# Altium PCB EBAZ4205.PcbDoc (part 3 of 6) (continued)
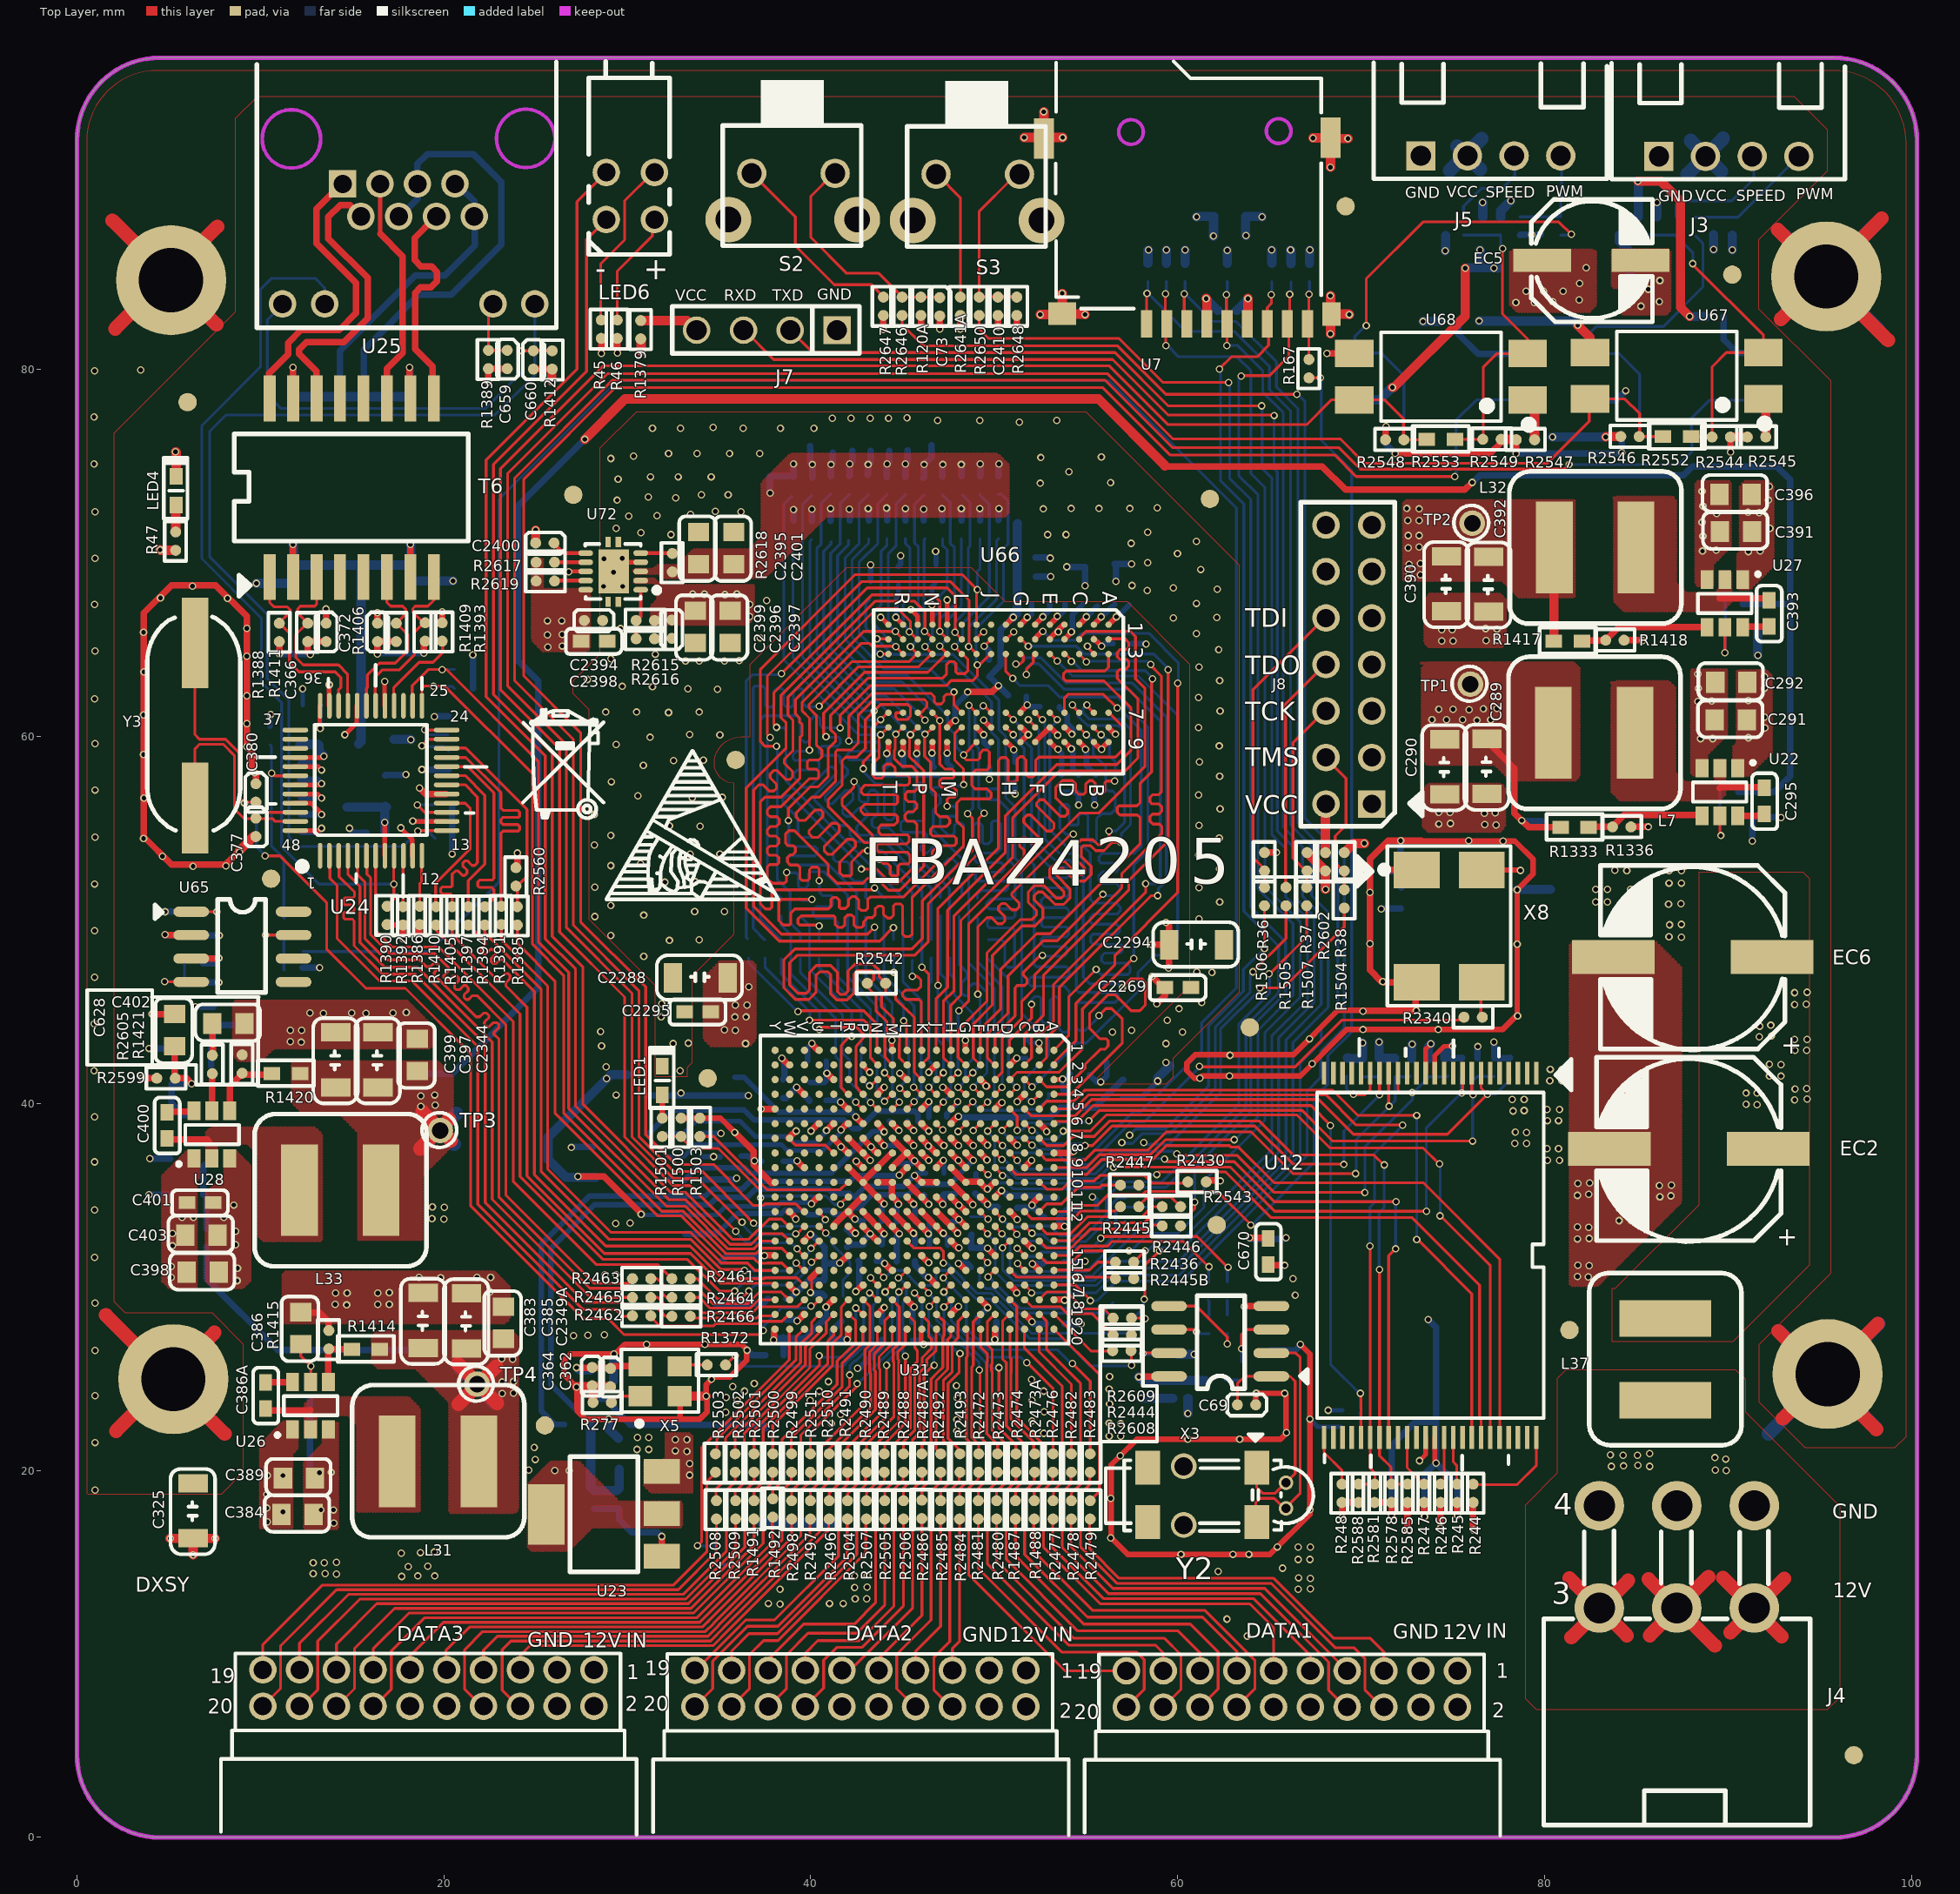
[diagram p0: Top Layer view]
## Nets (pads, with @x,y where several pads share a name; then routed paths per layer and width w, separated by ;. In a path a pad name is that pad's centre, name@x,y a point inside that pad or via, vN(x,y) a via of type N, cw(c..) or ccw(c..) an arc to the next point about the centre after c; other vN are vias at no path point) (continued)
  other v2: 60.181,15.431 63.006,15.431 63.881,15.431 65.434,15.834 56.356,16.331 67.206,17.856 56.356,18.481 56.875,20.8 60.556,21.706 63.381,21.706 65.931,22.056 28.981,22.806 34.594,24.969 29.281,26.356 31.056,26.881 34.231,26.881 43.231,32.906 45.656,36.881 46.406,37.681 62.831,41.506 67.335,42.16 62.856,42.631 67.178,43.528 70.106,44.031 74.206,44.031 78.531,44.781 70.106,45.031 78.506,48.681 70.481,48.706 70.481,51.506 6.331,52.931 8.131,52.956 4.656,53.481 8.856,53.706 77.731,54.306 72.156,54.331 75.856,54.331 3.631,54.456 3.656,56.656 3.631,59.031 9.256,60.706 3.631,61.181 9.256,62.231 3.656,63.531 9.256,64.381 3.631,65.681 9.256,65.906 8.206,67.531 4.556,67.556 6.306,68.206 25.881,79.331
GND3: C304.1 C305.1 C333.1 C334.1 C661.2 C662.1 C2385.2 EC2.2 EC5.2 EC6.2 J3.1 J4.2 J4.4 J4.6 J5.1 L36.1 R1347.1 R1348.2 R1364.1 R1365.2 R2559.2 U69.3 U70.3 | length 23.4
  Top Layer w0.508: v1(71.706,79.031) 71.781,79.031 75.681,82.931 v1(75.681,85.531)
  Bottom Layer w0.356: C333.1@78.656,87.331 78.681,87.356 v1(79.306,87.356) 79.781,87.356 R1364.1@79.806,87.381 ; U69.3@82.606,78.431 82.706,78.331 83.906,78.331 v1(84.431,78.856)
  Bottom Layer w0.508: U70.3@69.656,78.356 71.006,78.356 v1@71.631,78.981 ; v1(74.581,86.481) 74.606,86.506 C334.1@74.606,87.306 ; v1@75.731,85.531 75.756,85.556 C661.2@76.506,85.556 ; v1(76.481,86.531) 76.506,86.506 C661.2@76.506,85.556 ; 77.456,85.531 77.431,85.556 C661.2@76.506,85.556 ; R1365.2@77.606,88.306 77.606,88.656 v1(78.156,89.206) ; C305.1@84.081,87.331 84.081,87.006 84.631,86.456 C662.1@84.631,84.956 ; R1348.2@86.131,88.331 v1(86.131,89.106) ; v1(89.206,86.556) R1347.1@89.206,87.356 ; v1(90.231,86.531) C304.1@90.231,87.331
  other v1: 82.384,30.547 81.785,30.572 82.434,31.172 81.81,31.197 81.785,32.622 82.434,32.647 82.409,33.246 81.785,33.271 84.059,33.621 84.734,33.621 84.059,34.271 84.684,34.271 86.283,34.921 86.883,34.971 81.785,34.996 82.409,35.046 86.258,35.521 86.908,35.546 81.81,35.646 82.459,35.671 85.259,83.458 86.258,83.708 84.509,83.958 85.659,84.383 86.283,84.858 77.231,85.531
GNDA: C325.2 C2385.1 pad.1 pad.2 pad.3 pad.4 R2558.1 R2559.1 | length 93.7
  Top Layer w0.762: 1.58,28.473 8.053,21.999 ; 1.93,88.132 7.604,82.459 ; 2.08,82.234 7.654,87.807 ; 2.13,22.149 7.504,27.523 ; 92.707,87.632 98.73,81.609 ; 92.732,27.598 98.08,22.249 ; 92.882,82.759 98.38,88.257 ; 92.982,22.824 98.155,27.998
  Bottom Layer w0.762: 92.207,21.999 98.205,27.998 ; 92.832,27.548 98.03,22.349 ; 93.057,87.333 98.18,82.209 ; 93.132,83.034 97.905,87.807
  other v1: 0.98,18.925 0.98,21.524 0.98,24.079 0.98,26.548 0.98,29.122 0.955,31.622 0.955,34.196 0.955,36.82 0.955,39.27 0.93,41.794 0.93,44.348 0.955,46.893 0.955,49.417 0.955,51.968 0.98,54.516 0.98,57.09 0.98,59.615 0.955,62.064 0.98,64.663 0.955,67.208 0.98,69.712 0.98,72.261 0.93,74.861 0.93,77.419 0.955,79.934 3.48,79.984
GNDADC_0: C327.2 C664.1 C856.1 C856A.1 FB14.2 R2471.1 R2487.1 U31.J10 U31.K10 | length 40.3
  Top Layer w0.356: v1(45.656,36.081) 46.019,35.717 U31.J10@46.824,35.717
  Bottom Layer w0.305: C856.1@27.981,22.556 27.956,22.556 25.831,24.681 25.831,32.106 28.206,34.481 34.481,34.481 34.881,34.881 36.531,34.881 36.988,35.338 40.973,35.338 41.206,35.106 42.131,35.106 C664.1@42.331,34.906 ; C664.1@42.356,34.931 42.406,34.931 42.956,35.481 45.056,35.481 45.781,36.206 C327.2@46.256,36.206
  Bottom Layer w0.508: C856.1@28.006,22.456 C856A.1@28.006,20.981 28.006,19.156 27.981,19.131 28.206,18.906 29.431,18.906 29.556,19.031 FB14.2@29.556,20.056
IN: C291.1 C292.1 C293.2 C306.1 C307.1 C308.1 C309.1 C310.1 C319.1 C320.1 C321.1 C322.1 C323.1 C384.2 C387.1 C389.2 C391.1 C394.2 C396.1 C398.2 C401.2 C403.2 D21.2 D22.2 D23.2 D24.2 R1413.1 R1482.2 R2599.1 R2800.1 U22.3 U26.3 U27.3 U28.3 | length 6
  Top Layer w0.356: v1(3.556,41.381) R2599.1@4.356,41.381
  Bottom Layer w0.356: v1@6.456,45.281 R2800.1@7.431,45.281 ; R1413.1@12.706,23.881 12.706,19.806 C387.1@12.806,19.706
  other v1: 41.02,12.752 41.77,12.752 42.42,13.002 43.044,13.002 66.563,13.526 67.238,13.551 42.395,13.626 43.069,13.651 67.238,14.126 66.588,14.151 17.701,14.226 18.576,14.251 19.5,14.251 42.395,14.251 43.069,14.276 65.714,14.676 18.051,14.751 19.126,14.776 66.563,15.151 67.213,15.151 17.676,15.501 18.726,15.526 19.475,15.551 66.563,15.826 67.238,15.826 14.002,17.125 13.302,17.85 13.977,17.85 13.227,19.875 13.852,19.9 8.728,30.347 8.753,31.022 8.653,32.297 8.653,33.046 8.003,33.796 8.553,34.471 6.456,45.281 87.458,49.067 86.783,49.092 86.808,49.742 87.458,49.767 86.758,50.867 87.433,50.892 82.784,50.992 83.434,50.992 84.709,51.017 85.384,51.042 82.784,51.667 83.434,51.667 84.684,51.667 85.434,51.667 86.783,52.017 87.458,52.017 84.484,52.691 86.783,52.691 87.458,52.691 83.834,52.716 88.508,59.89 89.158,59.89 88.358,61.914 89.108,61.939 88.383,62.639 88.358,63.414 88.608,70.112 89.358,70.162 88.633,70.937 88.583,71.687 89.383,72.161 88.633,72.561 88.583,73.361
LED3_0: R1383.2 U24.13 U25.9 | length 57
  Top Layer w0.152: v1(18.581,54.856) 18.606,54.881 U24.13@20.131,54.881
  Bottom Layer w0.152: v1@18.531,54.781 17.756,54.006 12.081,54.006 11.556,54.531 11.556,61.981 10.381,63.156 10.381,66.656 7.231,69.806 7.231,76.631 8.131,77.531 22.781,77.531 24.956,79.706 U25.9@24.956,83.581 ; v1(18.581,54.856) 19.131,54.856 R1383.2@19.531,54.456
LED.0_0: R1390.2 U24.9 U25.11 | length 48.3
  Top Layer w0.152: R1390.2@16.881,50.756 17.281,51.156 v1(17.281,51.956) 17.267,51.969 U24.9@17.267,53.506
  Bottom Layer w0.152: U25.11@13.506,83.581 13.506,84.456 12.981,84.981 10.606,84.981 10.006,84.381 10.006,80.156 6.806,76.956 6.806,69.706 10.056,66.456 10.056,62.956 11.156,61.856 11.156,54.006 13.206,51.956 v1@17.306,51.956
MDC_0: R2470.2 U24.25 U31.W15 | length 45.1
  Top Layer w0.152: U24.25@18.806,61.681 18.806,62.631 18.931,62.756 v1(19.431,62.756) 20.056,62.756 24.831,57.981 24.831,48.681 26.531,46.981 26.531,39.481 31.881,34.131 32.797,34.131 32.801,34.135 33.052,34.135 35.366,31.82 36.76,31.82 37.02,31.82 37.312,32.112 38.424,32.112 U31.W15@38.756,31.781
  Bottom Layer w0.152: v1@19.381,62.731 20.481,62.731 R2470.2@20.581,62.631
NetC69_1: C69.1 X3.1 Y2.1 Y2.8 | length 13
  Top Layer w0.152: C69.1@63.256,23.631 63.256,24.731 63.656,25.131 X3.1@65.106,25.131 ; Y2.1@64.306,20.156 64.306,19.081 64.631,18.756 65.306,18.756 65.806,19.256 Y2.8@65.881,19.256 ; X3.1@65.356,25.131 66.131,25.131 66.406,24.856 66.406,19.831 Y2.8@65.906,19.331
NetC327_1: C327.1 U31.J9 | length 1.2
  Top Layer w0.356: U31.J9@46.824,36.516 46.841,36.516 v1(47.231,36.906)
  Bottom Layer w0.305: v1@47.206,36.831 47.256,36.781 C327.1@47.256,36.206
NetC2300_2: C2300.2 C2302.1 C2383.2 C2384.2 R2537.1 R2538.1 U66.H1 U66.M8 | length 15.2
  Top Layer w0.305: U66.M8@47.431,60.481 47.431,60.531 v1@47.806,60.906 ; U66.H1@50.631,66.106 v1(51.031,66.506)
  Top Layer w0.356: v1(48.556,62.431) 49.881,62.431 v1(50.231,62.781)
  Bottom Layer w0.305: v1(47.881,60.881) 47.856,60.906 47.856,61.681 v1@48.581,62.406
  Bottom Layer w0.356: C2300.2@50.756,62.256 49.731,63.281 50.356,63.906 50.356,65.831 v1(51.031,66.506)
  Bottom Layer w0.508: v1(51.031,66.506) 51.256,66.731 51.256,71.581 R2538.1@51.281,71.606
NetDATA1_6: DATA1.6 R2483.1 | length 25.4
  Top Layer w0.152: R2483.1@55.206,19.831 55.206,19.231 54.706,18.731 54.706,15.831 56.688,13.848 65.088,13.848 68.606,10.331 69.631,10.331 70.206,9.756 70.206,8.056 71.156,7.106 DATA1.6@71.245,7.106
NetDATA1_8: DATA1.8 R2482.1 | length 24.2
  Top Layer w0.152: R2482.1@54.181,19.806 54.181,19.281 53.706,18.806 53.706,15.806 56.222,13.289 64.497,13.289 68.231,9.556 68.231,8.031 69.156,7.106 DATA1.8@69.239,7.106
NetDATA1_14: DATA1.14 R1488.1 | length 19.2
  Top Layer w0.152: R1488.1@52.156,17.306 52.156,15.581 55.356,12.381 61.481,12.381 64.206,9.656 64.206,8.089 DATA1.14@63.222,7.106
NetDATA1_16: DATA1.16 R1487.1 | length 18.6
  Top Layer w0.152: R1487.1@51.156,17.356 51.156,15.356 54.881,11.631 60.681,11.631 62.206,10.106 62.206,8.094 DATA1.16@61.217,7.106
NetDATA1_18: DATA1.18 R2480.1 | length 17.6
  Top Layer w0.152: R2480.1@50.131,17.281 50.131,15.056 54.331,10.856 59.281,10.856 60.181,9.956 60.181,8.075 DATA1.18@59.211,7.106
NetDATA1_20: DATA1.20 R2481.1 | length 16.7
  Top Layer w0.152: R2481.1@49.131,17.231 49.131,14.656 53.681,10.106 57.756,10.106 58.181,9.681 58.181,8.081 57.956,7.856 ; DATA1.20@57.206,7.106 57.956,7.856
NetDATA2_6: DATA2.6 R2493.1 | length 13.7
  Top Layer w0.152: DATA2.6@47.72,7.131 47.631,7.131 46.706,8.056 46.706,9.806 47.581,10.681 47.581,18.881 48.081,19.381 R2493.1@48.081,19.806
NetDATA2_8: DATA2.8 R2492.1 | length 14.1
  Top Layer w0.152: DATA2.8@45.714,7.131 45.656,7.131 44.681,8.106 44.681,9.981 46.556,11.856 46.556,18.856 47.081,19.381 R2492.1@47.081,19.756
NetDATA2_14: DATA2.14 R2506.1 | length 13.2
  Top Layer w0.152: DATA2.14@39.697,7.131 40.706,8.139 40.706,9.656 41.406,10.356 42.781,10.356 45.056,12.631 45.056,17.281 R2506.1@45.106,17.331
NetDATA2_16: DATA2.16 R2505.1 | length 14.4
  Top Layer w0.152: DATA2.16@37.692,7.131 38.681,8.119 38.681,9.956 39.856,11.131 42.506,11.131 44.031,12.656 44.031,17.306 R2505.1@44.006,17.331
NetDATA2_18: DATA2.18 R2507.1 | length 13.6
  Top Layer w0.152: DATA2.18@35.686,7.131 36.656,8.1 36.656,9.956 37.431,10.731 38.206,10.731 43.006,15.531 R2507.1@43.006,17.256
NetDATA2_20: DATA2.20 R2504.1 | length 14.6
  Top Layer w0.152: DATA2.20@33.681,7.131 34.656,8.106 34.656,9.606 36.556,11.506 38.206,11.506 41.981,15.281 R2504.1@41.981,17.306
NetDATA3_6: DATA3.6 R2510.1 | length 27
  Top Layer w0.152: DATA3.6@24.17,7.156 24.056,7.156 23.181,8.031 23.181,10.231 23.658,10.708 34.533,10.708 35.253,11.427 35.253,11.437 40.481,16.665 40.481,18.881 40.981,19.381 R2510.1@40.981,19.906
NetDATA3_8: DATA3.8 R2511.1 | length 28.2
  Top Layer w0.152: DATA3.8@22.164,7.156 22.056,7.156 21.131,8.081 21.131,10.231 22.116,11.216 34.251,11.216 34.694,11.658 34.694,11.669 39.456,16.431 39.456,18.906 39.981,19.431 R2511.1@39.981,19.906
NetDATA3_14: DATA3.14 R1492.1 | length 28
  Top Layer w0.152: DATA3.14@16.147,7.156 16.206,7.156 17.131,8.081 17.131,10.156 18.953,11.978 33.808,11.978 37.906,16.076 R1492.1@37.906,17.381
NetDATA3_16: DATA3.16 R1491.1 | length 29
  Top Layer w0.152: DATA3.16@14.142,7.156 14.181,7.156 15.131,8.106 15.131,10.306 17.311,12.486 33.471,12.486 36.906,15.92 R1491.1@36.906,17.281
NetDATA3_18: DATA3.18 R2509.1 | length 30.4
  Top Layer w0.152: DATA3.18@12.136,7.156 12.231,7.156 13.131,8.056 13.131,10.706 15.419,12.994 33.189,12.994 35.906,15.71 R2509.1@35.906,17.281
NetDATA3_20: DATA3.20 R2508.1 | length 31.2
  Top Layer w0.152: DATA3.20@10.256,7.281 11.106,8.131 11.106,10.456 14.152,13.502 32.777,13.502 34.856,15.581 R2508.1@34.856,17.356
NetJ3_2: C305.2 J3.2 L9.1 | length 5.1
  Bottom Layer w0.762: 87.783,90.657 89.733,92.606 ; 87.958,92.481 89.633,90.807
NetJ3_3: J3.3 R1345.2 | length 6.4
  Bottom Layer w0.152: R1345.2@87.156,88.331 87.156,88.981 87.381,89.206 90.206,89.206 91.406,90.406 J3.3@91.406,91.356
NetJ3_4: C304.2 J3.4 R1346.2 R1347.2 | length 6.9
  Bottom Layer w0.152: R1346.2@88.181,88.306 90.531,88.306 93.681,91.456 J3.4@93.806,91.456
NetJ5_2: C334.2 J5.2 L11.1 | length 4.2
  Bottom Layer w0.762: 74.836,90.857 76.561,92.581 ; J5.2@75.236,92.181 76.486,90.932
NetJ5_3: J5.3 R1362.2 | length 4.8
  Bottom Layer w0.152: R1362.2@75.581,88.331 75.581,88.906 76.556,89.881 77.681,89.881 78.381,90.581 J5.3@78.381,91.306
NetJ5_4: C333.2 J5.4 R1363.2 R1364.2 | length 5.2
  Bottom Layer w0.152: C333.2@78.656,88.331 80.731,88.331 R1363.2@80.756,88.356 ; R1363.2@80.881,88.331 80.881,89.306 80.931,89.356 80.931,91.356 J5.4@80.981,91.406
NetJ7_4: J7.4 R1379.2 | length 3.2
  Top Layer w0.508: R1379.2@30.806,82.656 30.831,82.681 33.256,82.681 J7.4@33.781,82.156
NetL37_1: J4.1 J4.3 J4.5 L37.1 | length 27.1
  Top Layer w0.762: 81.36,14.126 84.484,11.002 ; 81.46,10.902 84.559,14.001 ; 85.659,14.076 89.283,10.452 ; 85.734,11.002 88.933,14.201 ; 89.733,14.151 92.932,10.952 ; 90.132,11.177 93.057,14.101
  other v1: 89.907,20 89.308,20.025 83.634,20.225 85.734,20.225 84.309,20.25 85.084,20.275 89.882,20.625 89.283,20.7 84.284,20.825 85.059,20.825 83.584,20.85 85.734,20.925
NetLED1_1: LED1.1 R1501.2 | length 1.3
  Top Layer w0.305: R1501.2@31.881,39.206 31.906,39.231 LED1.1@31.906,40.481
NetLED4_1: LED4.1 R47.2 | length 1.4
  Top Layer w0.508: R47.2@5.381,71.156 LED4.1@5.381,72.556
NetLED6_1: LED6.1 R46.2 | length 6.1
  Top Layer w0.152: R46.2@29.456,82.706 29.456,85.381 31.356,87.281 LED6.1@31.356,87.981
NetLED6_2: LED6.2 R45.2 | length 9.4
  Top Layer w0.152: R45.2@28.581,82.631 28.556,82.656 28.556,85.781 29.856,87.081 29.856,89.206 31.406,90.756 LED6.2@31.481,90.756
NetR37_2: J8.6 R37.2 R1507.1 | length 10.4
  Top Layer w0.152: R37.2@67.031,51.781 67.031,52.631 66.281,53.381 66.281,59.656 67.756,61.131 J8.6@67.931,61.131
NetR117_1: R117.1 R2440.1 | length 0.8
  Bottom Layer w0.152: R2440.1@62.581,24.931 63.331,24.931 R117.1@63.381,24.881
NetR117_2: R117.2 X3.3 | length 3.3
  Top Layer w0.152: v1(63.481,26.631) 63.481,27.431 63.731,27.681 X3.3@65.106,27.681
  Bottom Layer w0.152: R117.2@63.481,25.931 v1@63.481,26.656
NetR120_2: R120.2 R2438.1 | length 0.8
  Bottom Layer w0.152: R2438.1@61.656,29.281 61.706,29.231 R120.2@61.706,28.456
NetR122_2: R122.2 R2439.1 | length 0.8
  Bottom Layer w0.152: R122.2@62.706,28.481 R2439.1@62.706,29.281
NetR1345_1: R1344.1 R1345.1 R1348.1 R2544.1 R2552.2 U67.2 | length 17.8
  Top Layer w0.152: R2552.2@87.981,76.356 R2544.1@89.031,76.356 ; v1(88.081,85.781) 88.081,85.731 91.931,81.881 U67.2@91.931,80.931 ; R2544.1@89.131,76.331 89.131,80.156 89.906,80.931 U67.2@91.406,80.931
  Bottom Layer w0.152: R1344.1@85.106,87.331 87.131,87.331 88.081,86.381 v1@88.081,85.856
NetR1346_1: R1346.1 R2350.2 R2554.2 U69.4 | length 18.7
  Bottom Layer w0.152: U69.4@82.531,80.881 82.531,82.081 82.806,82.356 86.481,82.356 88.631,84.506 88.631,86.881 R1346.1@88.231,87.281 ; U69.4@82.756,80.881 84.056,80.881 85.181,79.756 R2350.2@85.181,76.331 86.331,76.331 R2554.2@86.356,76.306
NetR1360_1: R1360.1 U12.19 | length 3.1
  Top Layer w0.152: v1(69.581,40.506) 69.606,40.481 70.206,40.481 70.497,40.772 U12.19@70.497,41.656
  Bottom Layer w0.152: R1360.1@69.206,41.481 69.206,40.806 v1@69.531,40.481
NetR1362_1: R1361.1 R1362.1 R1365.1 R2549.1 R2553.2 U68.2 | length 17.2
  Top Layer w0.152: R2553.2@75.106,76.206 R2549.1@76.631,76.206 ; R2549.1@76.656,76.231 76.656,80.131 77.406,80.881 U68.2@79.081,80.881 79.081,81.656 77.706,83.031 v1(77.706,86.606)
  Bottom Layer w0.152: R1362.1@75.581,87.331 77.556,87.331 R1365.1@77.581,87.356 ; R1365.1@77.606,87.306 77.606,86.656 v1@77.656,86.606
NetR1363_1: R1363.1 R2556.2 R2557.2 U70.4 | length 25.3
  Top Layer w0.152: v1(70.281,82.406) 70.281,84.956 73.381,88.056 80.781,88.056 v1(81.456,87.381)
  Bottom Layer w0.152: U70.4@69.656,80.881 69.656,81.806 70.206,82.356 v1@70.256,82.356 ; U70.4@69.856,80.906 71.106,80.906 72.331,79.681 R2556.2@72.331,76.181 ; R2556.2@72.381,76.206 72.406,76.181 R2557.2@73.656,76.181 ; R1363.1@80.881,87.331 81.381,87.331 v1@81.406,87.356
NetR1372_1: R1372.1 X5.3 | length 1.2
  Top Layer w0.152: X5.3@33.156,25.756 R1372.1@34.356,25.756
NetR1372_2: R1372.2 U31.N18 | length 12
  Top Layer w0.152: R1372.2@35.356,25.756 35.856,26.256 v1(35.881,26.256) ; v1@43.256,29.681 U31.N18@43.608,29.328
  Bottom Layer w0.152: v1(35.881,26.256) 35.881,26.156 36.356,25.681 41.781,25.681 41.896,25.795 41.896,25.844 42.282,26.231 42.331,26.231 42.881,26.781 42.881,29.231 v1@43.231,29.581
  other v1: 43.206,29.681
NetR1373_2: C625.1 R1373.2 U20.1 | length 3.7
  Bottom Layer w0.356: C625.1@6.881,35.031 6.881,36.581 U20.1@6.981,36.681 ; C625.1@6.881,35.081 7.056,34.906 R1373.2@7.056,33.181
NetR1384_2: R1384.2 T6.10 | length 2.3
  Top Layer w0.356: v1(18.131,80.131) 18.131,78.477 T6.10@18.177,78.431
  Bottom Layer w0.356: R1384.2@18.181,79.531 v1@18.181,80.131
NetR1385_2: R1385.2 R2560.1 U24.22 | length 10.9
  Top Layer w0.152: U24.22@20.481,59.381 21.181,59.381 24.531,56.031 24.531,52.381 24.006,51.856 24.006,50.831 R1385.2@24.056,50.781
NetR1388_1: C366.1 R1388.1 R1411.1 | length 4
  Top Layer w0.356: v1(11.031,64.506) R1388.1@11.031,65.181 ; R1411.1@12.581,65.181 12.581,64.631 v1(12.731,64.481) ; R1411.1@12.631,65.206 12.656,65.181 C366.1@13.581,65.181
  Bottom Layer w0.356: v1(11.031,64.506) 12.606,64.506 v1@12.631,64.481
NetR1393_1: R1393.1 U24.28 | length 5
  Top Layer w0.152: U24.28@17.267,61.681 17.267,62.667 18.656,64.056 19.406,64.056 19.931,64.581 R1393.1@19.931,65.181
NetR1400_2: R1400.2 T6.15 | length 2.2
  Top Layer w0.356: T6.15@11.784,78.431 v1@11.784,80.102
  Bottom Layer w0.356: R1400.2@11.781,79.531 v1@11.781,80.106
  other v1: 11.781,80.131
NetR1404_1: R1384.1 R1400.1 R1404.1 R1407.1 | length 6.4
  Bottom Layer w0.508: R1400.1@11.781,78.531 R1384.1@18.156,78.531
NetR1406_1: C372.1 R1406.1 R1409.1 | length 4.9
  Top Layer w0.356: C372.1@16.331,65.231 C372.1@16.381,65.181 ; v1(16.381,64.506) C372.1@16.381,65.181 ; R1406.1@17.406,65.181 C372.1@16.381,65.181 ; v1(18.906,64.556) R1409.1@18.906,65.206
  Bottom Layer w0.356: v1@16.406,64.531 16.431,64.556 v1(18.906,64.556)
NetR1413_2: C386.1 R1413.2 U26.5 | length 2.8
  Top Layer w0.152: C386.1@12.206,26.881 12.206,26.231 v1(12.756,25.681) 12.756,25.106 U26.5@12.781,25.081
  Bottom Layer w0.152: R1413.2@12.706,24.881 12.706,25.606 v1@12.756,25.656
NetR1493_1: R1493.1 R2512.2 U31.F11 | length 2.1
  Top Layer w0.356: U31.F11@49.236,34.919 49.631,34.524 v1(49.631,34.506)
  Bottom Layer w0.356: R1493.1@48.956,35.106 48.981,35.106 49.731,34.356 R2512.2@50.181,34.356
NetR1500_1: R1500.1 R1501.1 U31.R11 | length 12
  Top Layer w0.152: R1501.1@31.906,38.206 32.881,38.206 33.531,37.556 34.956,37.556 37.256,35.256 v1@37.256,34.906 ; v1@41.656,34.531 41.656,34.574 U31.R11@42.001,34.919
  Bottom Layer w0.152: v1(37.256,34.856) 37.356,34.956 40.831,34.956 41.306,34.481 v1@41.606,34.481
  other v1: 41.631,34.506
NetR1502_1: R1502.1 U31.L6 | length 1.2
  Top Layer w0.356: U31.L6@45.216,38.912 45.598,38.531 v1(45.606,38.531)
  Bottom Layer w0.305: R1502.1@45.281,39.031 45.281,38.856 v1@45.631,38.506
NetR1503_1: R1503.1 U31.R10 | length 9.3
  Top Layer w0.152: R1503.1@33.956,38.206 34.706,38.206 37.606,35.306 41.606,35.306 U31.R10@41.956,35.656
NetR1504_2: J8.4 R38.1 R1504.2 | length 7.8
  Top Layer w0.152: J8.4@68.306,58.606 69.181,57.731 69.181,55.181 68.581,54.581 68.581,53.131 69.081,52.631 R1504.2@69.081,51.656
NetR1505_2: J8.8 R1505.2 | length 13
  Top Layer w0.152: R1505.2@65.906,51.831 65.881,51.856 65.881,61.781 68.006,63.906 J8.8@68.031,63.906
NetR1506_2: J8.10 R36.1 R1506.2 | length 16.2
  Top Layer w0.152: R1506.2@64.731,51.781 64.731,52.781 64.106,53.406 64.106,62.556 67.681,66.131 J8.10@67.806,66.131
NetR1949_2: R1948.2 R1949.2 U65.4 | length 3.5
  Top Layer w0.152: v1(4.781,46.656) 4.806,46.631 U65.4@6.231,46.631
  Bottom Layer w0.152: v1(4.781,46.656) 5.831,46.656 R1948.2@5.856,46.631 ; R1948.2@5.856,46.606 R1949.2@5.856,47.581
NetR2336_1: R2336.1 U65.1 | length 2.1
  Top Layer w0.152: U65.1@6.231,50.456 v1(7.631,50.456)
  Bottom Layer w0.152: R2336.1@6.881,50.456 7.531,50.456 v1@7.556,50.481
NetR2340_2: R2340.2 X8.3 | length 1.9
  Top Layer w0.152: R2340.2@76.556,44.731 76.531,44.756 76.531,46.556 X8.3@76.581,46.606
NetR2389_1: R2389.1 R2391.2 X8.1 | length 3.4
  Top Layer w0.356: v1(71.306,52.706) 71.331,52.731 X8.1@73.031,52.731
  Bottom Layer w0.356: v1(71.306,52.706) 71.356,52.656 R2389.1@72.081,52.656 ; R2389.1@72.131,52.656 72.131,51.831 R2391.2@72.181,51.781
NetR2430_1: R2430.1 U31.B10 | length 8.8
  Top Layer w0.152: U31.B10@52.452,35.717 52.469,35.717 52.856,35.331 53.706,35.331 54.156,35.781 55.456,35.781 55.756,36.081 58.206,36.081 58.631,35.656 60.406,35.656 R2430.1@60.556,35.806
NetR2433_1: R2432.1 R2433.1 U31.E11 | length 3.5
  Top Layer w0.356: U31.E11@50.04,34.919 50.339,35.218 v1@50.343,35.218
  Bottom Layer w0.356: v1@50.456,35.256 50.731,34.981 52.531,34.981 52.656,34.856 R2432.1@53.406,34.856
  other v1: 50.406,35.256
NetR2455_1: R2455.1 U66.L8 | length 4.1
  Top Layer w0.152: U66.L8@48.231,60.481 48.156,60.481 47.856,60.181 47.856,58.706 48.331,58.231 v1(48.331,57.381)
  Bottom Layer w0.152: R2455.1@47.681,57.331 v1@48.281,57.331
NetR2461_2: R2461.2 U31.U15 | length 8.4
  Top Layer w0.152: R2461.2@33.431,30.456 33.806,30.456 34.906,29.356 36.206,29.356 v1(36.631,29.781) ; v1@40.056,31.306 40.393,31.642 U31.U15@40.393,31.724
  Bottom Layer w0.152: v1(36.631,29.781) 36.956,30.106 38.981,30.106 40.006,31.131 v1@40.006,31.256
  other v1: 40.031,31.356
NetR2462_2: R2462.2 U31.W19 | length 8
  Top Layer w0.152: R2462.2@31.281,28.431 31.281,28.356 31.756,27.881 34.706,27.881 34.831,28.006 37.131,28.006 37.256,28.131 38.431,28.131 U31.W19@38.756,28.456
NetR2463_2: R2463.2 U31.W18 | length 8.4
  Top Layer w0.152: R2463.2@31.281,30.456 31.631,30.456 32.131,29.956 33.806,29.956 34.66,29.102 36.577,29.102 37.206,29.731 38.381,29.731 U31.W18@38.731,29.381
NetR2464_2: R2464.2 U31.Y18 | length 5
  Top Layer w0.152: R2464.2@33.431,29.431 33.931,29.431 34.514,28.848 36.698,28.848 37.156,29.306 U31.Y18@38.031,29.306
NetR2466_2: R2466.2 U31.Y19 | length 4.7
  Top Layer w0.152: R2466.2@33.431,28.406 33.531,28.306 37.056,28.306 37.181,28.431 37.906,28.431 U31.Y19@37.981,28.506
NetR2468_1: R2468.1 R2487.2 U23.1 | length 5.7
  Top Layer w0.356: U23.1@31.881,15.331 v1(31.881,16.406)
  Bottom Layer w0.356: R2468.1@28.206,17.906 29.556,17.906 29.556,17.331 30.256,16.631 31.656,16.631 v1(31.881,16.406)
NetR2472_1: DATA1.19 R2472.1 | length 16.5
  Top Layer w0.152: R2472.1@49.131,19.881 49.131,19.556 48.606,19.031 48.606,14.331 53.856,9.081 DATA1.19@57.206,9.081
NetR2473_1: DATA1.17 R2473.1 | length 17.6
  Top Layer w0.152: R2473.1@50.131,19.731 50.131,19.381 49.631,18.881 49.631,14.906 54.056,10.481 58.781,10.481 59.211,10.05 DATA1.17@59.211,9.081
NetR2473A_1: DATA1.13 R2473A.1 | length 19.5
  Top Layer w0.152: R2473A.1@52.181,19.881 52.181,19.381 51.656,18.856 51.656,15.431 55.081,12.006 61.356,12.006 63.222,10.139 DATA1.13@63.222,9.081
NetR2474_1: DATA1.15 R2474.1 | length 18.6
  Top Layer w0.152: R2474.1@51.181,19.906 51.181,19.431 50.656,18.906 50.656,15.156 54.556,11.256 60.031,11.256 61.217,10.069 DATA1.15@61.217,9.081
NetR2476_1: DATA1.11 R2476.1 | length 20.9
  Top Layer w0.152: R2476.1@53.181,19.806 53.181,19.406 52.681,18.906 52.681,15.831 55.781,12.731 63.931,12.731 65.228,11.433 DATA1.11@65.228,9.081
NetR2477_1: DATA1.9 R2477.1 | length 18.8
  Top Layer w0.152: R2477.1@53.181,17.281 53.181,15.806 55.976,13.01 64.151,13.01 67.234,9.928 DATA1.9@67.234,9.081
NetR2478_1: DATA1.7 R2478.1 | length 19.3
  Top Layer w0.152: R2478.1@54.181,17.281 54.181,15.856 56.468,13.569 64.751,13.569 DATA1.7@69.239,9.081
NetR2479_1: DATA1.5 R2479.1 | length 21
  Top Layer w0.152: R2479.1@55.231,17.306 55.206,17.281 55.206,15.731 56.809,14.128 65.234,14.128 68.506,10.856 70.506,10.856 71.245,10.117 DATA1.5@71.245,9.081
NetR2484_1: DATA2.5 R2484.1 | length 8.3
  Top Layer w0.152: DATA2.5@47.72,9.106 47.72,10.294 48.106,10.681 48.106,17.256 R2484.1@48.131,17.281
NetR2485_1: DATA2.7 R2485.1 | length 8.9
  Top Layer w0.152: DATA2.7@45.714,9.106 45.714,10.139 47.081,11.506 R2485.1@47.081,17.406
NetR2486_1: DATA2.9 R2486.1 | length 9.2
  Top Layer w0.152: DATA2.9@43.709,9.106 43.709,9.758 46.056,12.106 46.056,17.256 R2486.1@46.081,17.281
NetR2487A_1: DATA2.11 R2487A.1 | length 12.8
  Top Layer w0.152: DATA2.11@41.703,9.106 42.156,9.106 45.556,12.506 45.556,18.981 46.081,19.506 R2487A.1@46.081,19.831
NetR2488_1: DATA2.13 R2488.1 | length 14.3
  Top Layer w0.152: DATA2.13@39.697,9.106 39.697,10.047 40.381,10.731 42.656,10.731 44.531,12.606 44.531,18.981 45.031,19.481 R2488.1@45.031,19.831
NetR2489_1: DATA2.15 R2489.1 | length 14.9
  Top Layer w0.152: DATA2.15@37.692,9.106 37.692,9.717 39.606,11.631 42.381,11.631 43.531,12.781 43.531,18.881 44.006,19.356 R2489.1@44.006,19.806
NetR2490_1: DATA2.17 R2490.1 | length 14.8
  Top Layer w0.152: DATA2.17@35.686,9.106 35.686,10.161 36.631,11.106 38.181,11.106 42.506,15.431 42.506,18.731 42.981,19.206 R2490.1@42.981,19.931
NetR2491_1: DATA2.19 R2491.1 | length 15.1
  Top Layer w0.152: DATA2.19@33.681,9.106 33.722,9.106 35.812,11.195 35.812,11.206 36.461,11.856 38.031,11.856 41.506,15.331 41.506,18.756 42.006,19.256 R2491.1@42.006,19.781
NetR2496_1: DATA3.5 R2496.1 | length 21.1
  Top Layer w0.152: DATA3.5@24.17,9.131 24.17,9.919 24.704,10.454 34.675,10.454 35.532,11.311 35.532,11.322 40.981,16.77 R2496.1@40.981,17.381
NetR2497_1: DATA3.7 R2497.1 | length 22.2
  Top Layer w0.152: DATA3.7@22.164,9.131 22.164,10.214 22.912,10.962 34.392,10.962 34.973,11.543 34.973,11.553 39.956,16.535 R2497.1@39.956,17.256
NetR2498_1: DATA3.9 R2498.1 | length 23.5
  Top Layer w0.152: DATA3.9@20.159,9.131 20.106,9.183 20.106,10.181 21.395,11.47 34.095,11.47 34.415,11.789 ; 34.415,11.774 34.415,11.789 ; R2498.1@38.956,17.356 38.956,16.331 34.415,11.789
NetR2499_1: DATA3.11 R2499.1 | length 27.4
  Top Layer w0.152: DATA3.11@18.153,9.131 18.153,9.903 19.974,11.724 33.949,11.724 38.431,16.206 38.431,18.881 38.931,19.381 R2499.1@38.931,19.781
NetR2500_1: DATA3.13 R2500.1 | length 28.7
  Top Layer w0.152: DATA3.13@16.147,9.131 16.147,10.272 18.107,12.232 33.612,12.232 37.406,16.025 37.406,18.856 37.906,19.356 R2500.1@37.906,19.781
NetR2501_1: DATA3.15 R2501.1 | length 30.1
  Top Layer w0.152: DATA3.15@14.142,9.131 14.142,10.542 16.34,12.74 33.33,12.74 36.406,15.815 36.406,18.881 36.906,19.381 R2501.1@36.906,19.856
NetR2502_1: DATA3.17 R2502.1 | length 30.7
  Top Layer w0.152: DATA3.17@12.131,9.731 12.131,10.581 14.798,13.248 33.048,13.248 35.406,15.606 35.406,18.931 35.881,19.406 R2502.1@35.881,19.906
NetR2503_1: DATA3.19 R2503.1 | length 32.1
  Top Layer w0.152: DATA3.19@10.131,9.131 10.131,10.506 13.381,13.756 32.531,13.756 34.331,15.556 34.331,19.381 R2503.1@34.756,19.806
NetR2540_1: R2540.1 R2541.1 U31.U13 | length 4.8
  Top Layer w0.152: U31.U13@40.393,33.321 40.44,33.321 v1@40.856,32.906
  Bottom Layer w0.152: v1@40.856,32.906 v1@40.881,32.881 ; v1@40.881,32.931 v1@40.881,32.881 ; R2541.1@41.756,29.506 41.756,30.331 R2540.1@41.781,30.356 ; R2540.1@41.756,30.381 42.131,30.756 42.131,31.356 41.784,31.703 41.193,32.292 41.193,32.568 v1@40.881,32.881
  other v1: 40.812,32.949
NetR2543_2: R2445.2 R2543.2 | length 2.7
  Top Layer w0.152: R2445.2@57.881,34.381 57.881,34.431 58.356,34.906 59.631,34.906 R2543.2@60.156,34.381
NetR2545_2: R2545.2 U67.1 | length 1.8
  Top Layer w0.508: R2545.2@92.056,76.331 92.056,77.956 U67.1@92.206,78.106
NetR2547_2: R2547.2 U68.1 | length 1.7
  Top Layer w0.508: U68.1@79.431,77.856 79.456,77.831 R2547.2@79.456,76.181
NetR2602_2: J8.2 R2602.2 | length 2.7
  Top Layer w0.508: R2602.2@68.056,53.631 68.056,56.306 J8.2@68.081,56.331
NetR2605_1: R2605.1 U28.5 | length 2.1
  Top Layer w0.356: U28.5@7.356,39.606 R2605.1@7.356,41.656
NetR2615_1: R2615.1 R2616.1 U72.1 | length 2.8
  Top Layer w0.203: R2616.1@30.481,65.331 30.481,66.281 30.731,66.531 U72.1@30.731,68.006
NetR2618_2: R2618.2 U72.5 | length 1.8
  Top Layer w0.203: U72.5@30.706,70.006 R2618.2@32.456,70.006
NetR2800_2: C402.1 C626.1 R2605.2 R2800.2 U21.3 | length 5.3
  Top Layer w0.356: R2605.2@7.356,42.581 7.406,42.631 v1(7.406,43.256) 7.381,43.281 C402.1@7.381,44.356
  Bottom Layer w0.356: U21.3@7.306,42.056 7.306,43.106 v1@7.406,43.206 ; R2800.2@7.381,44.331 7.406,44.306 v1(7.406,43.256) ; R2800.2@7.431,44.281 8.656,44.281 C626.1@8.681,44.256
NetS2_3: C73.2 R120A.2 R2646.2 S2.3 | length 12.5
  Top Layer w0.152: S2.3@41.331,90.706 41.256,90.706 40.006,89.456 40.006,87.206 41.956,85.256 43.706,85.256 R2646.2@44.931,84.031 ; R2646.2@44.931,83.956 C73.2@47.106,83.956
NetS2_4: R2647.2 S2.4 | length 10.8
  Top Layer w0.152: S2.4@36.781,90.706 39.156,88.331 39.156,86.756 41.281,84.631 43.306,84.631 R2647.2@43.906,84.031